# Altium PCB motordriver-v5.1_willem.PcbDoc (part 2 of 6)
Units mil, origin at the board's own origin, x right, y up, seen from the top; angles counter-clockwise.
Board outline 3985.43 x 6141.73 mil, 4 copper layers (Top Copper, Signal Layer 1, Signal Layer 2, Bottom Copper), stack 46.063 mil thick; 731 components, 510 nets, 2436 pads, 771 vias.
Unrouted connection lines stored in the file: 766.
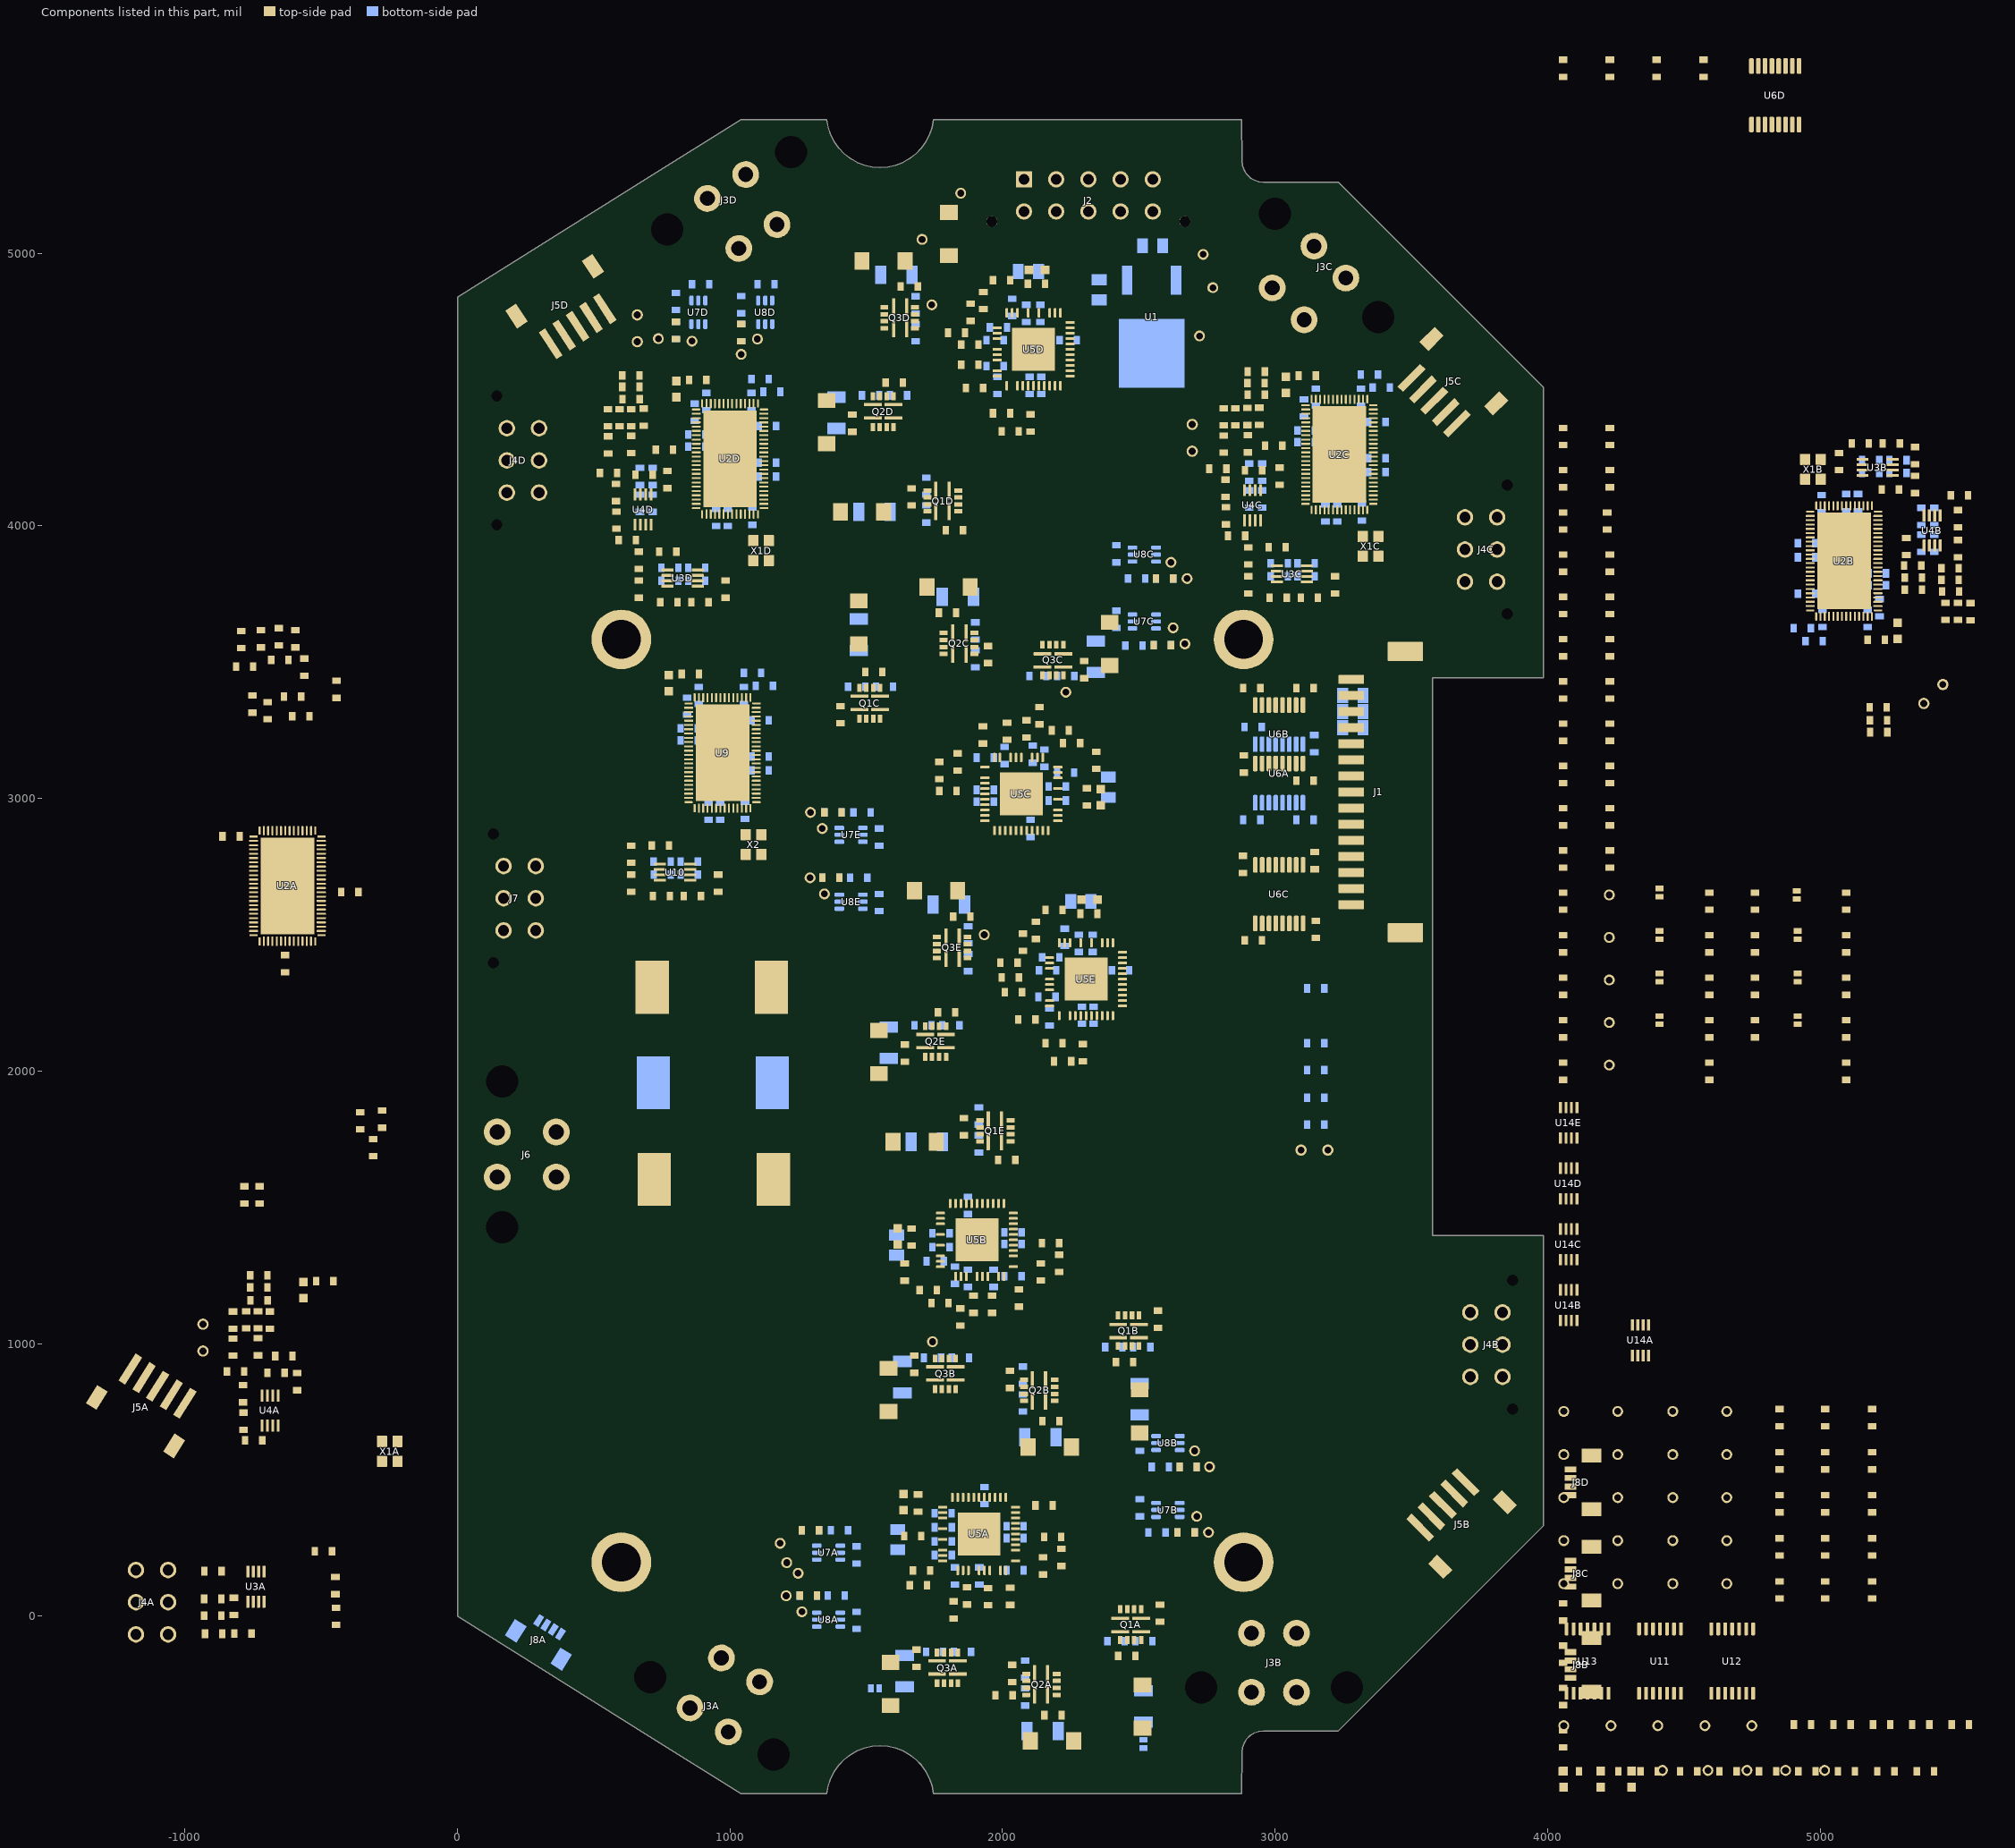
[diagram p4: the components of this part, seen from the top]

## Components (designator, comment, footprint, x,y, rotation, side; value= is the part's Value field where it differs from the comment) (continued)
Q1C "N-CH Dual SW Node" 12-PowerWQFN 1512.8,3349.21 r90 top (schematic designator Q1)
Q1D "N-CH Dual SW Node" 12-PowerWQFN 1781.3,4091.53 r180 top (schematic designator Q1)
Q1E "N-CH Dual SW Node" 12-PowerWQFN 1973.62,1780.51 r180 top (schematic designator Q1)
Q2A "N-CH Dual SW Node" 12-PowerWQFN 2143.03,-250.67 r180 top (schematic designator Q2)
Q2B "N-CH Dual SW Node" 12-PowerWQFN 2135.15,828.07 r180 top (schematic designator Q2)
Q2C "N-CH Dual SW Node" 12-PowerWQFN 1840.16,3568.51 r0 top (schematic designator Q2)
Q2D "N-CH Dual SW Node" 12-PowerWQFN 1562.01,4418.9 r90 top (schematic designator Q2)
Q2E "N-CH Dual SW Node" 12-PowerWQFN 1754.33,2107.87 r90 top (schematic designator Q2)
Q3A "N-CH Dual SW Node" 12-PowerWQFN 1798.14,-190.04 r90 top (schematic designator Q3)
Q3B "N-CH Dual SW Node" 12-PowerWQFN 1790.27,888.7 r90 top (schematic designator Q3)
Q3C "N-CH Dual SW Node" 12-PowerWQFN 2185.04,3507.88 r270 top (schematic designator Q3)
Q3D "N-CH Dual SW Node" 12-PowerWQFN 1622.64,4763.78 r0 top (schematic designator Q3)
Q3E "N-CH Dual SW Node" 12-PowerWQFN 1814.96,2452.76 r0 top (schematic designator Q3)
R1 "10k" 0603 5241.61,-569.11 r0 top
R2 "10k" 0603 5386.61,-569.11 r0 top
R3 "10k" 0603 4951.61,-569.11 r0 top
R4 "10k" 0603 5096.61,-569.11 r0 top
R5 "10k" 0603 4662.61,-569.11 r0 top
R6 "10k" 0603 4807.61,-569.11 r0 top
R7 "10k" 0603 4372.61,-569.11 r0 top
R8 "10k" 0603 4517.61,-569.11 r0 top
R9 "10k" 0603 4083.61,-569.11 r0 top
R10 "10k" 0603 4228.61,-569.11 r0 top
R11 "110" 0805 3285.43,3377.95 r0 bottom value=1
R12 "330" 0805 3285.43,3318.79 r0 bottom value=1
R13 "1.96k" 0805 3285.43,3259.62 r0 bottom value=1
R14A "RES NTC 10k" "THERMISTOR TH" -928.9,1016.79 r90 top value=10k (schematic designator R14)
R14B "RES NTC 10k" "THERMISTOR TH" 5415.8,3390.25 r225 top value=10k (schematic designator R14)
R14C "RES NTC 10k" "THERMISTOR TH" 2701,4318 r90 top value=10k (schematic designator R14)
R14D "RES NTC 10k" "THERMISTOR TH" 665,4720 r90 top value=10k (schematic designator R14)
R15A "RES NTC 10k" 0603 -637.5,954 r0 top value=10k (schematic designator R15)
R15B "RES NTC 10k" 0603 5342,3810.38 r0 top value=10k (schematic designator R15)
R15C "RES NTC 10k" 0603 2995.22,4294.75 r0 top value=10k (schematic designator R15)
R15D "RES NTC 10k" 0603 759,4279 r0 top value=10k (schematic designator R15)
R16A "47k" 0603 -727.9,1159 r0 top (schematic designator R16)
R16B "47k" 0603 5215,3243.38 r0 top (schematic designator R16)
R16C "47k" 0603 2931,4481 r0 top (schematic designator R16)
R16D "47k" 0603 637,4465 r0 top (schematic designator R16)
R17A "1k" 0603 -728.9,1250 r180 top (schematic designator R17)
R17B "1k" 0603 5214,3287.38 r180 top (schematic designator R17)
R17C "1k" 0603 2931,4566 r180 top (schematic designator R17)
R17D "1k" 0603 636,4552 r180 top (schematic designator R17)
R18A "4.7k" 0603 -823.9,987 r90 top value=1 (schematic designator R18)
R18B "4.7k" 0603 5552,3685.38 r90 top value=1 (schematic designator R18)
R18C "4.7k" 0603 2812,4300 r90 top value=1 (schematic designator R18)
R18D "4.7k" 0603 553,4297 r90 top value=1 (schematic designator R18)
R19A "4.7k" 0603 -731.9,988 r90 top value=1 (schematic designator R19)
R19B "4.7k" 0603 5342,3765.38 r0 top value=1 (schematic designator R19)
R19C "4.7k" 0603 2900,4301 r90 top value=1 (schematic designator R19)
R19D "4.7k" 0603 637,4299 r90 top value=1 (schematic designator R19)
R20A "4.7k" 0603 -775.9,1087 r90 top value=1 (schematic designator R20)
R20B "4.7k" 0603 5460,3686.38 r270 top value=1 (schematic designator R20)
R20C "4.7k" 0603 2854,4400 r90 top value=1 (schematic designator R20)
R20D "4.7k" 0603 595,4397 r90 top value=1 (schematic designator R20)
R21A "4.7k" 0603 -688.9,1086 r90 top value=1 (schematic designator R21)
R21B "4.7k" 0603 5479,3759.38 r180 top value=1 (schematic designator R21)
R21C "4.7k" 0603 2942,4402 r90 top value=1 (schematic designator R21)
R21D "4.7k" 0603 684,4399 r90 top value=1 (schematic designator R21)
R22A "JUMPER" 0603 5095.61,1998.89 r90 top value=0 (schematic designator R22)
R22B "JUMPER" 0603 5095.61,2154.89 r90 top value=0 (schematic designator R22)
R22C "JUMPER" 0603 5095.61,2310.89 r90 top value=0 (schematic designator R22)
R22D "JUMPER" 0603 5095.61,2466.89 r90 top value=0 (schematic designator R22)
R22E "JUMPER" 0603 5095.61,2622.89 r90 top value=0 (schematic designator R22)
R23A "JUMPER" 0603 2005.5,-291 r180 top value=0 (schematic designator R23)
R23B "JUMPER" 0603 4056.61,-450.11 r90 top value=0 (schematic designator R23)
R23C "JUMPER" 0603 4056.61,-295.11 r90 top value=0 (schematic designator R23)
R23D "JUMPER" 0603 4056.61,-140.11 r90 top value=0 (schematic designator R23)
R23E "JUMPER" 0603 4056.61,14.89 r90 top value=0 (schematic designator R23)
R24A "75" 0603 -487.01,1229.54 r0 top (schematic designator R24)
R24B "75" 0603 5206.23,3581.63 r180 top (schematic designator R24)
R24C "75" 0603 3118.11,4551.18 r0 top (schematic designator R24)
R24D "75" 0603 881.89,4535.43 r0 top (schematic designator R24)
R25A "4.7k" 0603 -492,237.88 r180 top value=1 (schematic designator R25)
R25B "4.7k" 0603 5258,4133.59 r0 top value=1 (schematic designator R25)
R25C "4.7k" 0603 3007.87,3921.26 r180 top value=1 (schematic designator R25)
R25D "4.7k" 0603 771.65,3905.51 r180 top value=1 (schematic designator R25)
R26A "4.7k" 0603 -898.34,63 r180 top value=1 (schematic designator R26)
R26B "4.7k" 0603 5261.53,4302.22 r0 top value=1 (schematic designator R26)
R26C "4.7k" 0603 3011.81,3736.22 r180 top value=1 (schematic designator R26)
R26D "4.7k" 0603 775.59,3720.47 r180 top value=1 (schematic designator R26)
R27A "4.7k" 0603 -445,-1 r90 top value=1 (schematic designator R27)
R27B "4.7k" 0603 5147.35,4302.22 r180 top value=1 (schematic designator R27)
R27C "4.7k" 0603 3125.98,3736.22 r0 top value=1 (schematic designator R27)
R27D "4.7k" 0603 889.76,3720.47 r0 top value=1 (schematic designator R27)
R28A "4.7k" 0603 -895,-65 r0 top value=1 (schematic designator R28)
R28B "4.7k" 0603 5349.1,4152 r90 top value=1 (schematic designator R28)
R28C "4.7k" 0603 2901.57,3889.76 r270 top value=1 (schematic designator R28)
R28D "4.7k" 0603 665.35,3874.02 r270 top value=1 (schematic designator R28)
R29A "4.7k" 0603 -898.34,2 r0 top value=1 (schematic designator R29)
R29B "4.7k" 0603 5349.1,4258 r270 top value=1 (schematic designator R29)
R29C "4.7k" 0603 2901.57,3783.46 r90 top value=1 (schematic designator R29)
R29D "4.7k" 0603 665.35,3767.72 r90 top value=1 (schematic designator R29)
R30A "4.7k" 0603 -897,165 r0 top value=1 (schematic designator R30)
R30B "4.7k" 0603 5069.43,4236 r270 top value=1 (schematic designator R30)
R30C "4.7k" 0603 3220.47,3783.46 r90 top value=1 (schematic designator R30)
R30D "4.7k" 0603 984.25,3767.72 r90 top value=1 (schematic designator R30)
R31A "4.7k" 0603 -587.9,860 r90 top value=1 (schematic designator R31)
R31B "4.7k" 0603 5316.46,3924.15 r270 top value=1 (schematic designator R31)
R31C "4.7k" 0603 3017.38,4182.17 r90 top value=1 (schematic designator R31)
R31D "4.7k" 0603 771,4170 r90 top value=1 (schematic designator R31)
R32A "4.7k" 0603 -786.9,816.1 r90 top value=1 (schematic designator R32)
R32B "4.7k" 0603 5505.44,3916.28 r270 top value=1 (schematic designator R32)
R32C "4.7k" 0603 2818.22,4137.75 r90 top value=1 (schematic designator R32)
R32D "4.7k" 0603 582,4122 r90 top value=1 (schematic designator R32)
R33A "4.7k" 0603 -785.9,715.1 r270 top value=1 (schematic designator R33)
R33B "4.7k" 0603 5505.44,4026.51 r90 top value=1 (schematic designator R33)
R33C "4.7k" 0603 2819.22,4036.75 r270 top value=1 (schematic designator R33)
R33D "4.7k" 0603 583,4021 r270 top value=1 (schematic designator R33)
R34A "1k" 0603 -665.83,892.07 r180 top (schematic designator R34)
R34B "1k" 0603 5340,3854.38 r0 top (schematic designator R34)
R34C "1k" 0603 2921.22,4203.75 r180 top (schematic designator R34)
R34D "1k" 0603 685,4188 r180 top (schematic designator R34)
R35A "1k" 0603 -814.5,897 r0 top (schematic designator R35)
R35B "1k" 0603 5477,3844.38 r180 top (schematic designator R35)
R35C "1k" 0603 2790.22,4209.75 r0 top (schematic designator R35)
R35D "1k" 0603 554,4194 r0 top (schematic designator R35)
R36A "1k" 0603 -747.9,645 r0 top (schematic designator R36)
R36B "1k" 0603 5511,4112 r180 top (schematic designator R36)
R36C "1k" 0603 2859.22,3963.75 r0 top (schematic designator R36)
R36D "1k" 0603 623,3948 r0 top (schematic designator R36)
R37A "100k" 0603 2455.62,-146.74 r180 top (schematic designator R37)
R37B "100k" 0603 2447.75,932 r180 top (schematic designator R37)
R37C "100k" 0603 1527.56,3464.57 r0 top (schematic designator R37)
R37D "100k" 0603 1665.95,4106.3 r90 top (schematic designator R37)
R37E "100k" 0603 1858.27,1795.28 r90 top (schematic designator R37)
R38A "10.0" 0603 2416.25,-91.62 r0 bottom value=10 (schematic designator R38)
R38B "10.0" 0603 2408.38,987.12 r0 bottom value=10 (schematic designator R38)
R38C "10.0" 0603 1566.93,3409.45 r180 bottom value=10 (schematic designator R38)
R38D "10.0" 0603 1721.06,4145.67 r270 bottom value=10 (schematic designator R38)
R38E "10.0" 0603 1913.38,1834.65 r270 bottom value=10 (schematic designator R38)
R39A "10.0" 0603 2028,72.5 r90 top value=10 (schematic designator R39)
R39B "10.0" 0603 2060.03,1166.9 r90 top value=10 (schematic designator R39)
R39C "10.0" 0603 1927.89,3232.76 r270 top value=10 (schematic designator R39)
R39D "10.0" 0603 1897.51,4505.34 r0 top value=10 (schematic designator R39)
R39E "10.0" 0603 2089.05,2188.73 r0 top value=10 (schematic designator R39)
R40A "10m" 1206 2517,-331 r90 bottom (schematic designator R40)
R40B "10m" 1206 2502.87,795.78 r270 bottom (schematic designator R40)
R40C "10m" 1206 1472.44,3600.79 r90 bottom (schematic designator R40)
R40D "10m" 1206 1529.72,4051.18 r180 bottom (schematic designator R40)
R40E "10m" 1206 1722.05,1740.16 r180 bottom (schematic designator R40)
R41A "10.0" 0603 2183.97,290.27 r180 top value=10 (schematic designator R41)
R41B "10.0" 0603 2176.1,1369.01 r180 top value=10 (schematic designator R41)
R41C "10.0" 0603 1799.21,3027.56 r0 top value=10 (schematic designator R41)
R41D "10.0" 0603 2102.95,4377.95 r90 top value=10 (schematic designator R41)
R41E "10.0" 0603 2295.27,2066.93 r90 top value=10 (schematic designator R41)
R42A "100k" 0603 2577.67,10.74 r90 top (schematic designator R42)
R42B "100k" 0603 2569.8,1089.48 r90 top (schematic designator R42)
R42C "100k" 0603 1405.51,3307.09 r270 top (schematic designator R42)
R42D "100k" 0603 1823.43,3984.25 r0 top (schematic designator R42)
R42E "100k" 0603 2015.75,1673.23 r0 top (schematic designator R42)
R43A "100k" 0603 2035.74,-210.12 r90 top (schematic designator R43)
R43B "100k" 0603 2027.87,868.62 r90 top (schematic designator R43)
R43C "100k" 0603 1947.44,3527.95 r270 top (schematic designator R43)
R43D "100k" 0603 1602.56,4526.18 r0 top (schematic designator R43)
R43E "100k" 0603 1794.88,2215.16 r0 top (schematic designator R43)
R44A "10.0" 0603 1947,71.5 r90 top value=10 (schematic designator R44)
R44B "10.0" 0603 1961.43,1144.13 r90 top value=10 (schematic designator R44)
R44C "10.0" 0603 2016.69,3246.55 r270 top value=10 (schematic designator R44)
R44D "10.0" 0603 1879.64,4590.67 r0 top value=10 (schematic designator R44)
R44E "10.0" 0603 2040.15,2289.61 r0 top value=10 (schematic designator R44)
R45A "10.0" 0603 2082.99,-194.38 r270 bottom value=10 (schematic designator R45)
R45B "10.0" 0603 2075.11,884.36 r270 bottom value=10 (schematic designator R45)
R45C "10.0" 0603 1900.2,3512.21 r90 bottom value=10 (schematic designator R45)
R45D "10.0" 0603 1618.31,4478.94 r180 bottom value=10 (schematic designator R45)
R45E "10.0" 0603 1810.63,2167.91 r180 bottom value=10 (schematic designator R45)
R46A "10m" 1206 2146.96,-422.33 r180 bottom (schematic designator R46)
R46B "10m" 1206 2139.09,656.41 r0 bottom (schematic designator R46)
R46C "10m" 1206 1836.22,3740.16 r180 bottom (schematic designator R46)
R46D "10m" 1206 1390.35,4414.96 r270 bottom (schematic designator R46)
R46E "10m" 1206 1582.68,2103.94 r270 bottom (schematic designator R46)
R47A "10.0" 0603 2215.47,215.47 r90 top value=10 (schematic designator R47)
R47B "10.0" 0603 2207.59,1294.21 r90 top value=10 (schematic designator R47)
R47C "10.0" 0603 1767.72,3102.36 r270 top value=10 (schematic designator R47)
R47D "10.0" 0603 2028.15,4346.46 r0 top value=10 (schematic designator R47)
R47E "10.0" 0603 2220.47,2035.43 r0 top value=10 (schematic designator R47)
R48A "100k" 0603 2185.35,-363.67 r0 top (schematic designator R48)
R48B "100k" 0603 2177.48,715.07 r0 top (schematic designator R48)
R48C "100k" 0603 1797.83,3681.5 r180 top (schematic designator R48)
R48D "100k" 0603 1449.02,4376.57 r270 top (schematic designator R48)
R48E "100k" 0603 1641.34,2065.55 r270 top (schematic designator R48)
R49A "JUMPER" 0603 1670.5,294 r180 top value=0 (schematic designator R49)
R49B "JUMPER" 0603 1640.87,1262.32 r270 top value=0 (schematic designator R49)
R49C "JUMPER" 0603 2344.28,3139.73 r90 top value=0 (schematic designator R49)
R49D "JUMPER" 0603 1996.65,4901.57 r180 top value=0 (schematic designator R49)
R49E "JUMPER" 0603 2188.98,2590.55 r180 top value=0 (schematic designator R49)
R50A "100k" 0603 1821,22.5 r90 top (schematic designator R50)
R50B "100k" 0603 1845.39,1097.36 r90 top (schematic designator R50)
R50C "100k" 0603 2135.5,3303.34 r270 top (schematic designator R50)
R50D "100k" 0603 1831.3,4708.66 r0 top (schematic designator R50)
R50E "100k" 0603 2023.62,2397.64 r0 top (schematic designator R50)
R51A "10.0" 0603 1853.26,-130.99 r180 bottom value=10 (schematic designator R51)
R51B "10.0" 0603 1845.39,947.75 r180 bottom value=10 (schematic designator R51)
R51C "10.0" 0603 2129.92,3448.82 r0 bottom value=10 (schematic designator R51)
R51D "10.0" 0603 1681.69,4708.66 r90 bottom value=10 (schematic designator R51)
R51E "10.0" 0603 1874.01,2397.64 r90 bottom value=10 (schematic designator R51)
R52A "10.0" 0603 1870.06,73.83 r90 top value=10 (schematic designator R52)
R52B "10.0" 0603 1893.55,1143.99 r90 top value=10 (schematic designator R52)
R52C "10.0" 0603 2087.69,3255.39 r270 top value=10 (schematic designator R52)
R52D "10.0" 0603 1880.04,4665.21 r0 top value=10 (schematic designator R52)
R52E "10.0" 0603 2028.48,2343.41 r0 top value=10 (schematic designator R52)
R53A "10m" 1206 1640.66,-201.86 r90 bottom (schematic designator R53)
R53B "10m" 1206 1632.79,876.88 r270 bottom (schematic designator R53)
R53C "10m" 1206 2342.52,3519.69 r90 bottom (schematic designator R53)
R53D "10m" 1206 1610.83,4921.26 r180 bottom (schematic designator R53)
R53E "10m" 1206 1803.15,2610.24 r180 bottom (schematic designator R53)
R54A "10.0" 0603 2148.54,183.97 r90 top value=10 (schematic designator R54)
R54B "10.0" 0603 2140.66,1262.71 r90 top value=10 (schematic designator R54)
R54C "10.0" 0603 1834.65,3133.86 r270 top value=10 (schematic designator R54)
R54D "10.0" 0603 1996.65,4413.38 r0 top value=10 (schematic designator R54)
R54E "10.0" 0603 2188.98,2102.36 r0 top value=10 (schematic designator R54)
R55A "100k" 0603 1683.97,-154.61 r90 top (schematic designator R55)
R55B "100k" 0603 1676.1,924.13 r90 top (schematic designator R55)
R55C "100k" 0603 2299.21,3472.44 r270 top (schematic designator R55)
R55D "100k" 0603 1658.07,4877.95 r0 top (schematic designator R55)
R55E "100k" 0603 1850.39,2566.93 r0 top (schematic designator R55)
R56A "75" 0603 1690,415 r90 top (schematic designator R56)
R56B "75" 0603 1666.1,1390.66 r90 top (schematic designator R56)
R56C "75" 0603 2309.21,3005.91 r270 top (schematic designator R56)
R56D "75" 0603 2124.61,4887.95 r0 top (schematic designator R56)
R56E "75" 0603 2316.93,2576.93 r0 top (schematic designator R56)
R57A "4.7k" 0603 3143.9,3200.79 r90 bottom value=1 (schematic designator R57)
R57B "4.7k" 0603 3109.86,3065.24 r0 top value=1 (schematic designator R57)
R57C "4.7k" 0603 2882.26,2758.15 r270 top value=1 (schematic designator R57)
R57D "4.7k" 0603 4056.61,5678.89 r90 top value=1 (schematic designator R57)
R58A "4.7k" 0603 3109.86,2921.54 r0 bottom value=1 (schematic designator R58)
R58B "4.7k" 0603 3109.86,3405.24 r0 top value=1 (schematic designator R58)
R58C "4.7k" 0603 2920.24,2478.9 r180 top value=1 (schematic designator R58)
R58D "4.7k" 0603 4228.61,5678.89 r90 top value=1 (schematic designator R58)
R59A "1k" 0603 1295.27,314.96 r180 top (schematic designator R59)
R59B "1k" 0603 2673.23,307.09 r0 top (schematic designator R59)
R59C "1k" 0603 2586.79,3562.53 r0 top (schematic designator R59)
R59D "1k" 0603 801.5,4717.05 r270 top (schematic designator R59)
R59E "1k" 0603 1377.95,2948.82 r180 top (schematic designator R59)
R60A "1k" 0603 1287.4,74.8 r180 top (schematic designator R60)
R60B "1k" 0603 2681.1,547.24 r0 top (schematic designator R60)
R60C "1k" 0603 2594.49,3807.09 r0 top (schematic designator R60)
R60D "1k" 0603 1041.65,4709.18 r270 top (schematic designator R60)
R60E "1k" 0603 1370.08,2708.66 r180 top (schematic designator R60)
R61 "75" 0603 854.33,3456.69 r0 top
R62 "4.7k" 0603 744.09,2826.77 r180 top value=1
R63 "4.7k" 0603 748.03,2641.73 r180 top value=1
R64 "4.7k" 0603 862.2,2641.73 r0 top value=1
R65 "4.7k" 0603 637.8,2795.28 r270 top value=1
R66 "4.7k" 0603 637.8,2688.98 r90 top value=1
R67 "4.7k" 0603 956.69,2688.98 r90 top value=1
R68A "JUMPER" 0603 2152.5,406 r0 top value=0 (schematic designator R68)
R68B "JUMPER" 0603 4760.61,2154.89 r90 top value=0 (schematic designator R68)
R68C "JUMPER" 0603 4760.61,2310.89 r90 top value=0 (schematic designator R68)
R68D "JUMPER" 0603 4760.61,2466.89 r90 top value=0 (schematic designator R68)
R68E "JUMPER" 0603 4760.61,2622.89 r90 top value=0 (schematic designator R68)
R69A "JUMPER" 0603 4593.61,1998.89 r90 top value=0 (schematic designator R69)
R69B "JUMPER" 0603 4593.61,2154.89 r90 top value=0 (schematic designator R69)
R69C "JUMPER" 0603 4593.61,2310.89 r90 top value=0 (schematic designator R69)
R69D "JUMPER" 0603 4593.61,2466.89 r90 top value=0 (schematic designator R69)
R69E "JUMPER" 0603 4593.61,2622.89 r90 top value=0 (schematic designator R69)
R70A "JUMPER" 0603 4056.61,1998.89 r90 top value=0 (schematic designator R70)
R70B "JUMPER" 0603 4056.61,2154.89 r90 top value=0 (schematic designator R70)
R70C "JUMPER" 0603 4056.61,2310.89 r90 top value=0 (schematic designator R70)
R70D "JUMPER" 0603 4056.61,2466.89 r90 top value=0 (schematic designator R70)
R70E "JUMPER" 0603 4056.61,2622.89 r90 top value=0 (schematic designator R70)
R71A "4.7k" 0603 5190.61,95.89 r90 top value=1 (schematic designator R71)
R71B "4.7k" 0603 5190.61,253.89 r90 top value=1 (schematic designator R71)
R71C "4.7k" 0603 5190.61,411.89 r90 top value=1 (schematic designator R71)
R71D "4.7k" 0603 5190.61,569.89 r90 top value=1 (schematic designator R71)
R71E "4.7k" 0603 5190.61,727.89 r90 top value=1 (schematic designator R71)
R72A "4.7k" 0603 4851.61,95.89 r90 top value=1 (schematic designator R72)
R72B "4.7k" 0603 4851.61,253.89 r90 top value=1 (schematic designator R72)
R72C "4.7k" 0603 4851.61,411.89 r90 top value=1 (schematic designator R72)
R72D "4.7k" 0603 4851.61,569.89 r90 top value=1 (schematic designator R72)